# Altium PCB PCB2.PcbDoc (part 2 of 2)
Units mm, origin at the board's own origin, x right, y up, seen from the top; angles counter-clockwise.
Board outline 42.3 x 42.3 mm, 2 copper layers (Top Layer, Bottom Layer); 115 components, 83 nets, 434 pads, 142 vias.
Unrouted connection lines stored in the file: 85.
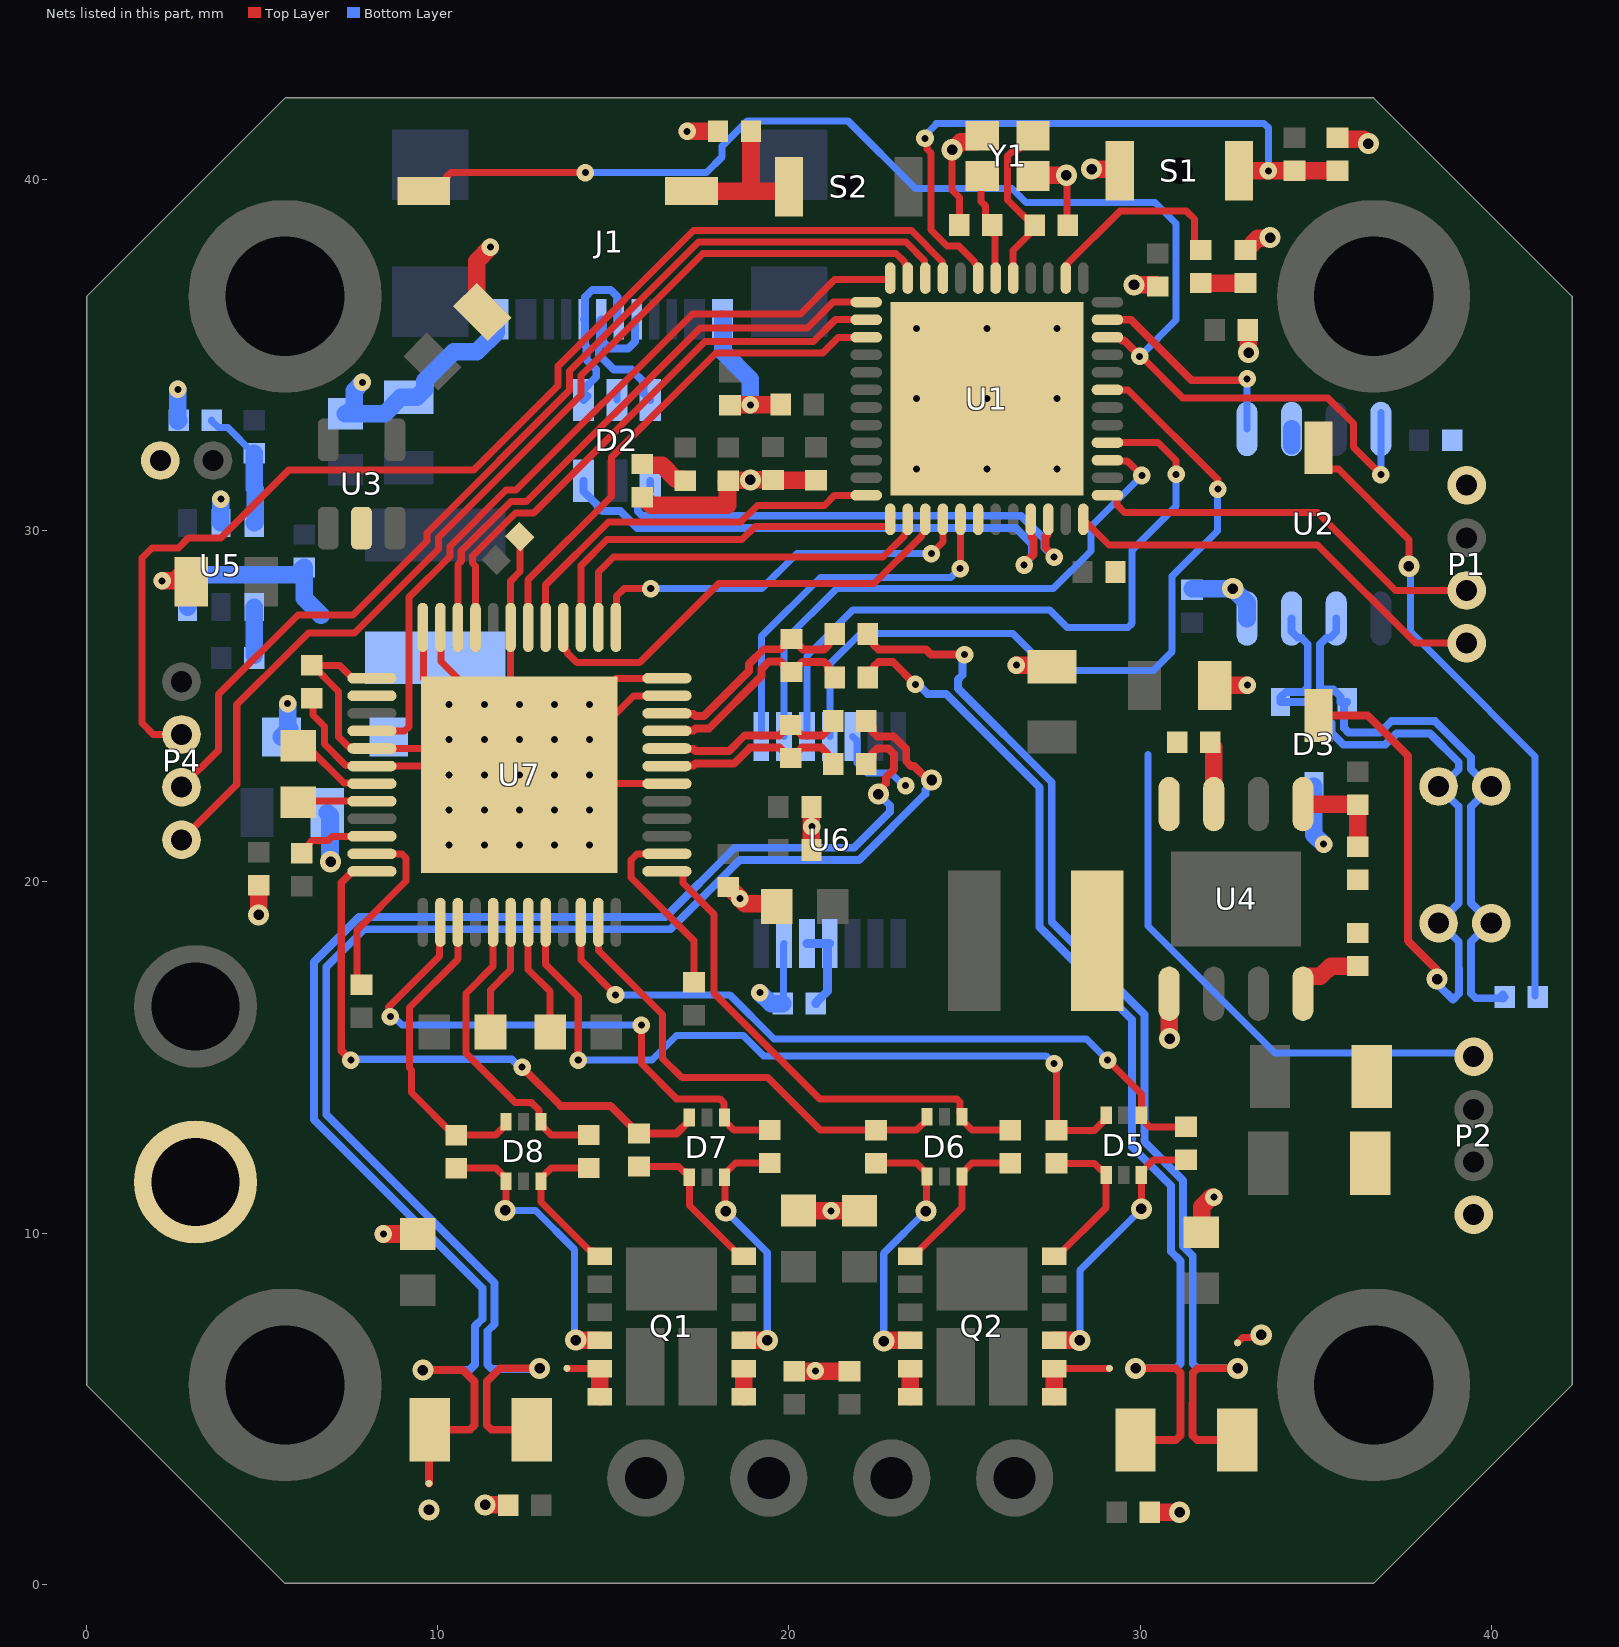
[diagram p2: the nets of this part, all layers, seen from the top]

## Via types
v1: diameter 0.5/0.5 (per signal layer), hole 0.2, Top Layer to Bottom Layer, 57 vias
v2: diameter 0.5, hole 0.2, Top Layer to Bottom Layer, 45 vias
v3: diameter 0.6/0.6 (per signal layer), hole 0.3, Top Layer to Bottom Layer, 38 vias
v4: diameter 0.65, hole 0.65, Top Layer to Bottom Layer, 2 vias

## Nets (pads, with @x,y where several pads share a name; then routed paths per layer and width w, separated by ;. In a path a pad name is that pad's centre, name@x,y a point inside that pad or via, vN(x,y) a via of type N, cw(c..) or ccw(c..) an arc to the next point about the centre after c; other vN are vias at no path point) (continued)
BUCK1_FB: R12.1 R13.2 U5.3 | length 3.6
  Bottom Layer w0.2: R13.2@3.561,33.15 3.561,33.13 3.751,32.94 4.02,32.94 4.755,32.205 R12.1@4.775,32.205
  Bottom Layer w0.5: R12.1@4.775,32.165 R12.1@4.775,32.205 ; U5.3@4.775,30.225 4.8,30.25 4.8,31.184 4.775,31.208 R12.1@4.775,32.165
BUCK1_SHDN: R8.1 U5.4 | length 1.4
  Bottom Layer w0.5: R8.1@4.775,26.45 U5.4@4.775,27.825
BUCK1_SW: C19.1 D4.1 L2.1 U5.6 | length 5.7
  Bottom Layer w0.5: U5.6@2.875,27.825 2.9,27.85 2.9,28.453 3.197,28.75 5.975,28.75 6.14,28.915 6.16,28.915 C19.1@6.2,28.955 6.2,28.75 6.2,28.075 6.675,27.6
BUCK2_BOOT: C20.2 U4.7 | length 1.8
  Top Layer w0.5: C20.2@31.97,23.981 31.97,23.961 32.098,23.833 U4.7@32.098,22.217
BUCK2_FB: R10.1 R11.2 U4.5 | length 2.8
  Top Layer w0.5: U4.5@34.638,22.217 34.646,22.209 36.19,22.209 R10.1@36.197,22.202 R11.2@36.197,20.998
BUCK2_SW: C20.1 L1.1 U4.8
CA1: C36.1 U7.42 | length 3.4
  Top Layer w0.2: C36.1@11.537,15.688 C36.1@11.5,15.725 11.5,16.925 12.074,17.499 U7.42@12.074,18.85
CA2: C34.1 U7.35 | length 5.2
  Top Layer w0.2: C34.1@7.7,17.095 7.7,18.625 9.1,20.025 9.1,20.683 8.983,20.8 U7.35@8.124,20.8
CAN_FD_RX: SW2.2 U1.46 U2.4 | length 39.5
  Top Layer w0.2: SW2.2@9.604,39.675 9.954,39.675 10.254,39.975 10.254,40.083 10.371,40.2 v1(14.2,40.2) ; v1(29.99,34.965) 30.036,34.965 31.225,33.775 35.35,33.775 36.075,33.05 36.075,32.38 v1(36.858,31.597)
  Top Layer w0.225: U1.46@29.071,35.511 29.391,35.511 29.479,35.423 29.542,35.423 29.99,34.975 v1(29.99,34.965)
  Bottom Layer w0.2: v1(14.2,40.2) 17.65,40.2 18.1,40.65 18.1,40.959 18.816,41.675 21.675,41.675 23.6,39.75 26.35,39.75 26.749,39.351 30.426,39.351 31.025,38.753 31.025,36 v1(29.99,34.965) ; v1@36.85,31.6 36.855,31.605 U2.4@36.855,32.9 U2.4@36.855,33.375
CAN_FD_TX: U1.47 U2.1 | length 6.1
  Top Layer w0.225: U1.47@29.071,36.011 29.739,36.011 31.462,34.287 33.012,34.287 v1(33.05,34.325)
  Bottom Layer w0.2: U2.1@33.045,32.9 33.048,32.903 33.048,34.323 v1(33.05,34.325)
CAN_N: D3.2 J2.2 J3.2 R7.1 U2.6 | length 17.2
  Bottom Layer w0.225: U2.6@35.585,27.5 35.585,27.127 35.412,26.953 35.308,26.953 35.125,26.77 35.125,26.439 35.125,25.475 35.507,25.475 35.713,25.27 35.713,25.125 35.806,25.125 D3.2@35.9,25.125 35.806,25.031 35.806,24.387 35.938,24.256 36.832,24.256 37.154,24.578 38.397,24.578 39.425,23.55 39.425,23.212 39.919,22.719 J2.2@40,22.719 39.425,22.144 39.425,20.597 39.425,19.4 J3.2@40,18.825 39.954,18.825 39.425,18.296 39.425,17.668 39.428,17.665 39.428,16.819 39.559,16.688 40.223,16.688 40.33,16.795 40.33,16.675 R7.1@40.38,16.725
CAN_P: D3.1 J2.1 J3.1 SW1.1 U2.7 | length 28.1
  Top Layer w0.225: SW1.1@35.075,24.74 36.481,24.74 37.631,23.59 37.631,18.315 38.456,17.49 v3(38.456,17.232)
  Bottom Layer w0.225: U2.7@34.315,27.5 34.315,27.127 34.488,26.953 34.592,26.953 34.775,26.77 34.775,26.584 34.775,25.544 34.643,25.413 34.162,25.413 34,25.25 D3.1@34,25.125 35.362,25.125 35.362,24.616 35.456,24.523 35.456,24.243 35.793,23.906 36.977,23.906 37.299,24.228 38.253,24.228 39.075,23.405 39.075,23.212 38.581,22.719 J2.1@38.5,22.719 39.075,22.144 39.075,20.742 39.075,19.4 J3.1@38.5,18.825 38.546,18.825 39.075,18.296 39.075,17.523 39.077,17.52 39.077,16.819 38.908,16.65 38.5,17.058 v3@38.5,17.292
CB1: C33.1 U7.2 | length 5.3
  Top Layer w0.2: U7.2@16.524,20.8 15.675,20.8 15.5,20.625 15.5,20.125 17.3,18.325 C33.1@17.3,17.16
CB2: C35.1 U7.43 | length 3.7
  Top Layer w0.2: U7.43@12.574,18.85 12.574,17.512 13.2,16.886 C35.1@13.2,15.725 13.174,15.699 13.2,15.674 13.1,15.574 C35.1@13.2,15.474
CPI: C31.2 U7.32 | length 2.2
  Top Layer w0.2: C31.2@5.754,22.411 C31.2@5.94,22.225 ; C31.2@6.22,22.276 6.244,22.3 U7.32@8.124,22.3
CPO: C31.1 U7.31 | length 2.3
  Top Layer w0.2: C31.1@6.22,23.876 6.27,23.876 7.327,22.819 8.105,22.819 U7.31@8.124,22.8
D_N: D2.1 D2.6 J1.A7 J1.B7 U1.33 | length 21
  Top Layer w0.225: v1(26.7,29.025) 26.7,29.068 26.961,29.329 26.961,29.761 26.9,29.822 26.9,30.311 U1.33@26.886,30.326
  Bottom Layer w0.225: D2.6@14.15,31.425 14.15,31.125 14.532,30.743 14.532,30.722 14.691,30.562 15.198,30.562 15.681,30.079 26.459,30.079 26.926,29.613 26.926,29.294 26.7,29.068 v1(26.7,29.025) ; D2.1@14.263,33.838 D2.1@14.15,33.725 14.15,34.025 14.513,34.388 14.513,34.596 14.235,34.874 14.235,35.248 14.197,35.285 14.197,35.988 J1.B7@14.16,36.025 14.197,36.062 14.197,36.659 14.401,36.863 14.919,36.863 15.123,36.659 15.123,36.062 J1.A7@15.16,36.025
D_P: D2.3 D2.4 J1.A6 J1.B6 U1.34 | length 20.4
  Top Layer w0.225: U1.34@27.386,30.326 27.371,30.311 27.371,29.898 27.311,29.838 27.311,29.519 27.55,29.28 v1(27.55,29.25)
  Bottom Layer w0.225: J1.B6@15.66,36.025 15.623,35.988 15.623,35.391 15.419,35.187 14.901,35.187 14.697,35.391 14.697,35.988 J1.A6@14.66,36.025 14.623,35.988 14.623,35.285 14.585,35.248 14.585,35.019 15.017,34.588 15.512,34.588 15.863,34.238 15.863,33.913 D2.3@16.05,33.725 ; D2.4@16.05,31.425 16.05,31.125 15.694,30.769 15.694,30.561 15.826,30.429 26.604,30.429 27.276,29.757 27.276,29.519 27.546,29.25 v1(27.55,29.25)
DIAG0: U7.26
ENC_A: P4.2 U1.10 | length 29.7
  Top Layer w0.2: P4.2@2.703,22.7 3.75,23.747 3.75,25.333 6.017,27.6 7.582,27.6 9.693,29.711 9.693,29.941 13.754,34.002 13.754,34.554 17.421,38.221 23.329,38.221 23.867,37.683 23.867,37.215 U1.10@23.886,37.196
ENC_B: P4.1 U1.11 | length 30
  Top Layer w0.2: P4.1@2.703,21.2 4.275,22.772 4.275,25.048 5.85,26.623 6.317,27.09 7.631,27.09 10.018,29.478 10.018,29.806 14.079,33.867 14.079,34.419 17.556,37.896 23.051,37.896 23.286,37.661 23.286,37.623 23.386,37.523 U1.11@23.386,37.196
ENC_CS: U1.29 U6.1 | length 10.7
  Top Layer w0.2: v1(24.875,28.925) 24.88,28.93 24.88,30.32 U1.29@24.886,30.326
  Bottom Layer w0.2: U6.1@19.213,24.145 19.213,26.988 20.9,28.675 24.608,28.675 24.858,28.925 v1(24.875,28.925)
ENC_I: P4.3 U1.9 | length 33.8
  Top Layer w0.2: P4.3@2.703,24.2 1.896,24.2 1.575,24.521 1.575,29.225 1.862,29.512 2.612,29.512 2.9,29.8 3.825,29.8 5.75,31.725 11.018,31.725 13.429,34.137 13.429,34.689 17.287,38.546 23.487,38.546 24.375,37.658 24.375,37.206 U1.9@24.386,37.196
ENC_MISO: U1.40 U6.3 | length 19.7
  Top Layer w0.2: U1.40@29.079,32.519 U1.40@29.071,32.511 30.514,32.511 31.025,32 v1@31.025,31.6
  Bottom Layer w0.2: U6.3@20.513,24.145 20.513,26.433 21.83,27.75 27.425,27.75 27.925,27.25 29.658,27.25 29.775,27.367 29.775,29.45 31.029,30.704 v1(31.029,31.606)
ENC_MOSI: U1.43 U6.4 | length 22.5
  Top Layer w0.2: U1.43@29.071,34.011 29.658,34.011 32.213,31.456 v1(32.213,31.188)
  Bottom Layer w0.2: U6.4@21.163,24.145 21.163,26.201 22.037,27.075 26.375,27.075 27.425,26.025 30.375,26.025 30.915,26.565 30.915,28.714 31.433,29.232 32.2,29.999 32.2,31.175 v1(32.213,31.188)
ENC_SCK: U1.39 U6.2 | length 16.4
  Top Layer w0.2: U1.39@29.071,32.011 29.09,31.992 29.633,31.992 v1(30.05,31.575)
  Bottom Layer w0.2: U6.2@19.863,24.145 19.863,26.863 21.35,28.35 27.525,28.35 28.6,29.425 28.6,30.125 v1(30.05,31.575)
FAN_PWM: P2.1 U1.30 | length 15.7
  Bottom Layer w0.2: 30.225,23.625 30.225,18.747 33.847,15.125 P2.1@39.525,15.125
G1: D5.1 Q2.1 R21.2 | length 4.6
  Top Layer w0.2: Q2.1@27.55,9.343 27.65,9.343 29.036,10.729 D5.1@29.036,11.654 29.036,11.744 28.976,11.804 28.886,11.804 28.706,11.984 R21.2@27.62,11.984
G1_2: D7.1 Q1.1 R17.2 | length 4.6
  Top Layer w0.2: R17.2@15.729,11.898 16.86,11.898 17.015,11.743 17.105,11.743 17.165,11.683 D7.1@17.165,11.593 17.165,10.785 18.607,9.343 Q1.1@18.707,9.343
G2: D5.3 Q2.4 R16.2 | length 7.7
  Top Layer w0.2: v3(30.036,10.689) D5.3@30.036,11.654 30.036,11.744 30.376,12.084 R16.2@31.311,12.084
  Top Layer w0.5: Q2.4@27.55,6.943 v3(28.282,6.943) v3@28.3,6.925
  Bottom Layer w0.2: v3(28.282,6.943) 28.282,8.936 v3(30.036,10.689)
G2_2: D7.3 Q1.4 R20.2 | length 7.4
  Top Layer w0.2: v3(18.2,10.625) 18.182,10.643 18.182,11.575 D7.3@18.165,11.593 18.165,11.683 18.48,11.998 R20.2@19.454,11.998
  Top Layer w0.5: Q1.4@18.707,6.943 v3(19.382,6.943) v3@19.4,6.925
  Bottom Layer w0.2: v3(18.2,10.625) 19.382,9.443 v3(19.382,6.943)
G3: D6.1 Q2.9 R22.2 | length 7.6
  Top Layer w0.2: R22.2@22.478,11.992 23.638,11.992 D6.1@23.928,11.702 ; v3(23.9,10.625) 23.914,10.639 23.914,11.598 D6.1@23.928,11.612 D6.1@23.928,11.522
  Top Layer w0.5: v3(22.7,6.925) 22.718,6.943 Q2.9@23.45,6.943
  Bottom Layer w0.2: v3(22.7,6.925) 22.7,9.425 v3(23.9,10.625)
G3_2: D8.1 Q1.9 R19.2 | length 8.2
  Top Layer w0.2: R19.2@10.525,11.848 11.658,11.848 11.94,11.565 D8.1@11.94,11.475 11.94,10.665 v3(11.92,10.645) v3@11.9,10.625
  Top Layer w0.5: v3(13.93,6.955) 13.942,6.943 Q1.9@14.607,6.943
  Bottom Layer w0.2: v3(11.92,10.645) 12.78,10.645 13.9,9.525 13.9,6.984 v3(13.93,6.955)
G4: D6.3 Q2.12 R23.2 | length 4.5
  Top Layer w0.2: Q2.12@23.45,9.343 23.55,9.343 24.928,10.721 D6.3@24.928,11.612 24.928,11.702 25.218,11.992 R23.2@26.303,11.992
G4_2: D8.3 Q1.12 R18.2 | length 4.3
  Top Layer w0.2: D8.3@12.94,11.475 12.94,10.885 14.332,9.493 14.457,9.493 Q1.12@14.607,9.343 ; D8.3@12.94,11.565 13.223,11.848 R18.2@14.205,11.848
GND: C1.1 C2.2 C3.2 C4.1 C5.1 C6.1 C7.1 C8.1 C9.1 C10.2 C11.1 C12.2 C13.1 C14.2 C15.2 C16.2 C17.2 C18.2 C21.2 C22.2 C23.2 C24.2 C25.2 C26.1 C27.1 C27.2 C28.1 C29.1 C30.1 C39.2 C40.2 C41.1 C42.1 C43.1 C44.1 C45.1 C46.1 C47.1 D2.2 D3.3 D4.2 J1.A1B12 J1.A12B1 J4.2 J5.2 LD1.2 LD2.2 NT3.2 NT4.2 P1.1 P2.4 R2.2 R9.1 R11.1 R13.1 R15.2 S1.2 U1.0 U2.2 U2.8 U3.2 U4.1 U5.2 U6.5 U6.13 U7.6 U7.11 U7.12 U7.19 U7.23 U7.24 U7.25 U7.29 U7.30 U7.49 Y1.2 Y1.4 | length 90.1
  Top Layer w0.2: v1@2.093,28.518 v1(2.15,28.575) ; C27.1@6.41,25.23 6.446,25.194 6.446,24.757 6.775,24.429 6.775,23.925 7.381,23.319 8.105,23.319 U7.30@8.124,23.3 10.074,23.3 v2(10.324,23.05) ; C27.2@6.41,26.17 C27.2@6.43,26.17 ; U7.25@8.124,25.8 7.574,25.8 7.204,26.17 C27.2@6.43,26.17 ; U7.24@9.574,27.25 9.593,27.231 9.593,26.51 9.599,26.504 9.599,25.775 v2(10.324,25.05) ; U7.23@10.074,27.25 10.093,27.231 10.093,26.281 v2(11.324,25.05) ; v2(10.324,24.05) 10.074,23.8 7.547,23.8 7.497,23.85 7.459,23.85 7.174,24.134 7.174,25.426 C27.2@6.43,26.17 ; v2(12.324,25.05) 12.074,25.3 U7.19@12.074,27.25 12.074,28.564 12.346,28.836 12.346,29.818 C30.1@12.332,29.832 ; v2(14.324,23.05) 14.574,22.8 U7.6@16.524,22.8 ; v2(14.324,24.05) 15.574,25.3 U7.11@16.524,25.3 ; v2(14.324,25.05) 15.074,25.8 U7.12@16.524,25.8 ; v3(24.645,40.85) 24.645,39.701 24.853,39.493 C2.2@24.853,38.711 ; v3(27.9,40.125) 27.922,40.103 27.922,38.723 C3.2@27.945,38.7 ; NT4.2@32.775,6.875 32.923,7.023 33.373,7.023 v3(33.45,7.1)
  Top Layer w0.5: v1(2.15,28.575) 2.51,28.575 2.73,28.795 C14.2@2.975,28.55 ; v3(4.9,19.064) C39.2@4.9,19.905 ; v1(8.45,9.975) C43.1@9.429,9.975 ; C18.2@11.264,36.232 11.105,36.391 11.105,37.68 v1(11.5,38.075) ; v3(11.349,2.263) 11.992,2.263 C45.1@12.005,2.25 ; v1(17.1,41.375) R2.2@17.98,41.375 R2.2@17.975,41.38 ; C10.2@18.215,31.39 18.255,31.43 C10.2@18.275,31.43 ; C29.1@18.275,19.855 18.295,19.855 18.6,19.55 v1(18.6,19.525) 18.743,19.382 19.568,19.382 R15.2@19.65,19.3 ; C13.1@18.323,33.574 18.336,33.587 19.753,33.587 C11.1@19.766,33.6 ; C47.1@20.15,6.069 C44.1@21.725,6.069 ; C42.1@20.4,10.625 20.406,10.631 v2(21.202,10.631) 21.998,10.631 C41.1@22.004,10.638 ; C25.2@20.641,20.911 C28.1@20.641,22.135 ; C9.1@20.772,31.436 20.716,31.436 20.712,31.441 19.552,31.441 C12.2@19.547,31.446 19.545,31.448 18.902,31.448 v3(18.9,31.45) 18.89,31.44 18.285,31.44 C10.2@18.275,31.43 ; v3(24.645,40.85) 24.672,40.85 24.897,41.075 25.325,41.075 Y1.2@25.5,41.25 ; v1(26.475,26.175) 27.459,26.175 27.5,26.134 C23.2@27.496,26.129 ; Y1.4@26.95,40.1 26.975,40.125 v3(27.9,40.125) ; v3(28.621,40.3) 29.371,40.3 S1.2@29.421,40.25 ; v3(29.826,37.002) 30.453,37.002 C4.1@30.5,36.955 ; C46.1@30.27,2.05 v3(31.125,2.05) ; v3@30.825,15.525 30.828,15.528 U4.1@30.828,16.817 ; C40.2@31.74,10.025 31.75,10.035 31.75,10.75 32.025,11.025 v1(32.1,11.025) ; C21.2@32.125,25.596 32.134,25.605 v1(33.055,25.605) ; LD1.2@33,37.995 33.02,37.995 33.356,38.331 33.681,38.331 v3(33.7,38.35) ; C7.1@33.07,35.716 33.08,35.706 33.08,35.084 v3(33.089,35.074) ; C1.1@35.624,41.195 35.664,41.155 36.37,41.155 v3(36.5,41.025) ; LD2.2@15.886,30.92 15.846,30.96 LD2.2@15.826,30.96 15.866,30.92 LD2.2@15.886,30.92 ; LD2.2@15.886,30.92 16.081,30.725 18.25,30.725 18.25,31.405 C10.2@18.275,31.43
  Bottom Layer w0.2: D2.2@15.1,33.725 D2.2@15.1,34.025 ; U6.13@19.863,18.245 19.845,18.227 19.845,16.554 C26.1@19.828,16.536 C26.1@19.878,16.486 ; U6.5@21.813,24.145 21.938,24.02 21.938,23.391 22.23,23.1 22.902,23.1 23.259,22.742 v1(23.322,22.742)
  Bottom Layer w0.5: R13.1@2.595,33.124 R13.1@2.621,33.15 2.6,33.171 v1(2.6,34.025) ; U5.2@3.825,30.225 3.8,30.25 3.825,30.275 v1(3.825,30.9) ; D4.2@5.55,24.127 5.791,24.368 5.725,24.434 v1(5.725,25.075) ; C16.2@6.85,21.973 6.931,21.892 6.931,20.594 v3(6.95,20.575) ; C24.2@7.371,33.336 C24.2@7.421,33.336 ; v1(7.851,34.224) 7.621,33.993 7.621,33.536 C24.2@7.421,33.336 ; C22.2@9.175,33.8 C22.2@8.975,33.8 ; J1.A1B12@11.71,36.025 11.66,35.975 11.66,35.647 11.115,35.102 10.455,35.102 9.625,34.271 9.625,34.025 9.4,33.8 C22.2@8.975,33.8 ; J1.A12B1@18.11,36.025 18.123,36.012 18.123,35.102 18.904,34.321 v1(18.904,33.587) ; v1(19.175,16.85) 19.5,16.525 19.817,16.525 C26.1@19.828,16.536 ; C8.1@31.486,28.355 v3(32.638,28.355) 33.045,27.948 U2.8@33.045,27.5 ; U2.2@34.315,32.425 U2.2@34.315,32.9 ; D3.3@34.95,22.725 34.95,21.35 v1(35.225,21.075) ; C24.2@7.421,33.336 7.621,33.336 8.486,33.336 8.95,33.8 C22.2@8.975,33.8
  other v1: 20.75,6.075 20.65,21.575
  other v2: 10.324,21.05 11.324,21.05 12.324,21.05 13.324,21.05 14.324,21.05 10.324,22.05 11.324,22.05 12.324,22.05 13.324,22.05 14.324,22.05 11.324,23.05 12.324,23.05 13.324,23.05 11.324,24.05 12.324,24.05 13.324,24.05 13.324,25.05
  other v3: 9.75,2.121 30.838,15.538
HA1: D8.4 R18.1 U7.41 | length 8.6
  Top Layer w0.2: U7.41@11.574,18.85 11.574,17.599 10.8,16.825 10.8,15.121 12.196,13.725 12.656,13.725 12.88,13.501 12.88,13.235 D8.4@12.94,13.175 12.94,13.085 13.238,12.788 R18.1@14.205,12.788
HA2: D7.6 R17.1 U7.36 | length 16.9
  Top Layer w0.225: v1(7.525,14.925) 7.253,15.198 7.253,19.978 7.55,20.276 8.1,20.276 U7.36@8.124,20.3 ; v1(12.4,14.725) 13.5,13.625 14.922,13.625 15.709,12.838 R17.1@15.729,12.838 16.8,12.838 17.165,13.203 D7.6@17.165,13.293
  Bottom Layer w0.225: v1(7.525,14.925) 7.55,14.95 12.106,14.95 12.331,14.725 v1(12.4,14.725)
HB1: D6.4 R23.1 U7.1 | length 14.6
  Top Layer w0.2: U7.1@16.524,20.3 16.934,20.3 16.98,20.254 16.98,19.97 17.86,19.09 17.86,16.84 20.888,13.812 24.791,13.812 24.868,13.735 24.868,13.372 D6.4@24.928,13.312 24.928,13.222 25.218,12.932 R23.1@26.303,12.932
HB2: D5.6 R21.1 U7.44 | length 22.1
  Top Layer w0.2: U7.44@13.074,18.85 13.074,17.651 14,16.725 v1(14,14.925) ; v1(27.55,14.825) 27.62,14.755 R21.1@27.62,12.924 28.696,12.924 29.036,13.264 D5.6@29.036,13.354
  Bottom Layer w0.2: v1(14,14.925) 16.1,14.925 16.8,15.625 18.7,15.625 19.275,15.05 27.325,15.05 v1(27.55,14.825)
LA1: D8.6 R19.1 U7.39 | length 8.8
  Top Layer w0.2: U7.39@10.574,18.85 10.574,17.799 9.2,16.425 9.2,14.699 9.25,14.649 9.25,14.001 10.464,12.788 R19.1@10.525,12.788 11.643,12.788 11.94,13.085 D8.6@11.94,13.175
LA2: D7.4 R20.1 U7.38 | length 16.4
  Top Layer w0.2: v1(8.65,16.164) 8.6,16.214 8.6,16.432 10.055,17.887 10.055,18.831 U7.38@10.074,18.85 ; v1(15.8,15.925) 15.8,14.825 16.8,13.825 18.028,13.825 18.145,13.708 18.145,13.312 D7.4@18.165,13.293 18.165,13.203 18.43,12.938 R20.1@19.454,12.938
  Bottom Layer w0.2: v1(8.65,16.164) 8.742,16.164 8.981,15.925 v1(15.8,15.925)
LB1: D6.6 R22.1 U7.47 | length 13.2
  Top Layer w0.2: U7.47@14.574,18.85 14.574,18.051 16.4,16.225 16.4,14.976 16.951,14.425 19.4,14.425 20.893,12.932 R22.1@22.478,12.932 23.638,12.932 23.928,13.222 D6.6@23.928,13.312
LB2: D5.4 R16.1 U7.46 | length 20.7
  Top Layer w0.2: U7.46@14.074,18.85 14.074,17.773 v1(15.061,16.786) ; v1(29.075,14.925) 30.036,13.964 D5.4@30.036,13.354 30.036,13.264 30.276,13.024 R16.1@31.311,13.024
  Bottom Layer w0.2: v1(15.061,16.786) 18.314,16.786 19.575,15.525 28.475,15.525 v1(29.075,14.925)
LED: R6.2 U1.2 | length 5.7
  Top Layer w0.2: U1.2@27.886,37.196 27.905,37.215 27.905,37.581 29.424,39.1 31.325,39.1 31.55,38.875 31.55,38.169 R6.2@31.724,37.995
NetC26_2: C26.2 U6.11 U6.12 | length 2.5
  Bottom Layer w0.25: U6.12@20.513,18.245 U6.11@21.163,18.245 21.1,18.182 21.1,16.888 20.767,16.556 C26.2@20.767,16.536
NetLD1_1: LD1.1 R6.1 | length 1.3
  Top Layer w0.5: R6.1@31.724,37.055 LD1.1@33,37.055
NetLD2_1: LD2.1 R5.2 | length 1.4
  Top Layer w0.5: LD2.1@15.826,31.9 15.866,31.86 16.39,31.86 16.78,31.47 17.01,31.47 R5.2@17.05,31.43
NetNT1_2: NT1.2 Q1.5 Q1.6 Q1.7 Q1.8 | length 2.5
  Top Layer w0.2: NT1.2@13.7,6.15 14.6,6.15 Q1.8@14.607,6.143
  Top Layer w0.5: Q1.7@14.607,5.343 Q1.8@14.607,6.143 ; Q1.6@18.707,5.343 Q1.5@18.707,6.143
NetNT2_2: NT2.2 Q2.5 Q2.6 Q2.7 Q2.8 | length 3.2
  Top Layer w0.2: Q2.5@27.55,6.143 27.557,6.15 NT2.2@29.125,6.15
  Top Layer w0.5: Q2.7@23.45,5.343 Q2.8@23.45,6.143 ; Q2.6@27.55,5.343 Q2.5@27.55,6.143
NetR7_2: R7.2 SW1.2 | length 18.4
  Top Layer w0.2: SW1.2@35.075,32.36 35.075,32.055 35.375,31.755 35.645,31.755 37.656,29.744 v3(37.656,28.99)
  Bottom Layer w0.2: v3@37.7,29.05 37.7,27.127 38.324,26.504 38.664,26.163 41.25,23.577 R7.2@41.25,16.755
NetR9_2: R9.2 U4.4 | length 2.1
  Top Layer w0.5: U4.4@34.638,16.817 34.638,17.265 34.684,17.311 35.132,17.311 35.426,17.605 R9.2@36.197,17.605
NRST: C1.2 R1.1 S1.1 U1.7 | length 18.8
  Top Layer w0.2: v1(23.875,41.175) 23.932,41.118 23.932,40.87 24.049,40.754 24.049,38.561 24.499,38.111 24.836,38.111 25.286,37.661 25.286,37.623 25.386,37.523 U1.7@25.386,37.196
  Top Layer w0.5: S1.1@32.799,40.275 32.82,40.254 R1.1@34.4,40.254 C1.2@35.488,40.254
  Bottom Layer w0.2: v1(23.875,41.175) 23.875,41.256 24.191,41.572 24.191,41.6 33.533,41.6 33.65,41.483 v1(33.65,40.25)
O_IN: C3.1 U1.5 Y1.1 | length 5
  Top Layer w0.2: U1.5@26.386,37.196 26.386,37.986 27.005,38.605 27.005,38.625 27.005,38.645 26.225,39.425 26.225,40.674 26.342,40.791 26.458,40.791 26.575,40.909 26.575,40.925 26.9,41.25 Y1.1@26.95,41.25
O_OUT: C2.1 U1.6 Y1.3 | length 3.1
  Top Layer w0.2: Y1.3@25.472,40.073 25.472,39.375 25.603,39.244 25.603,38.901 C2.1@25.793,38.711 25.867,38.638 25.867,37.215 U1.6@25.886,37.196
  Top Layer w0.5: Y1.3@25.472,40.073 Y1.3@25.5,40.1 ; C2.1@25.768,38.636 C2.1@25.796,38.663
PB8_BOOT0: R2.1 S2.2 SW2.1 | length 5.7
  Top Layer w0.2: SW2.1@17.224,39.675 SW2.1@17.524,39.975 ; S2.2@19.699,40.383 19.999,40.083 S2.2@19.999,39.8 S2.2@19.874,39.675
  Top Layer w0.5: SW2.1@17.224,39.675 18.875,39.675 ; R2.1@18.92,41.375 18.92,39.72 18.875,39.675 ; S2.2@19.874,39.675 18.875,39.675
SD_MODE: U1.14 U7.21 | length 16.1
  Top Layer w0.2: U7.21@11.074,27.25 11.074,28.997 10.993,29.078 10.993,29.285 12.215,30.507 12.41,30.507 12.732,30.507 17.614,35.389 20.699,35.389 21.32,36.011 U1.14@22.201,36.011
SPI_MODE: U1.13 U7.22 | length 16.7
  Top Layer w0.2: U7.22@10.574,27.25 10.574,29.04 10.668,29.134 10.668,29.209 10.668,29.224 10.668,29.42 12.08,30.832 12.276,30.832 12.291,30.832 12.532,30.832 17.475,35.775 20.525,35.775 21.261,36.511 U1.13@22.201,36.511
SRAH_N: C38.1 NT3.1 R27.1 R27.2 R29.1 U7.7 | length 47.6
  Top Layer w0.225: v3(9.575,6.1) 10.721,6.1 11.046,5.775 11.046,4.532 10.914,4.4 R29.1@9.771,4.4 9.75,4.379 NT3.1@9.75,2.871 ; U7.7@16.524,23.3 16.539,23.314 17.278,23.314 17.339,23.375 18.439,23.375 18.889,23.825 19.735,23.825 20.03,23.53 C38.1@20.05,23.53 20.07,23.53 20.365,23.825 20.927,23.825 21.087,23.665 21.087,23.537 R27.1@21.265,23.359 ; R27.2@22.205,23.359 22.382,23.537 22.382,23.665 22.514,23.797 22.832,23.797 22.99,23.639 22.99,23.206 22.759,22.975 22.759,22.811 22.55,22.601 v3(22.55,22.5)
  Bottom Layer w0.225: v3(9.575,6.1) 10.906,6.1 11.063,6.257 11.063,7.352 11.269,7.559 11.269,8.436 6.475,13.23 6.475,17.72 7.758,19.003 16.483,19.003 18.455,20.975 21.855,20.975 22.874,21.994 22.874,22.181 22.555,22.5 v3(22.55,22.5) v3@22.622,22.428
SRAH_P: C38.2 NT1.1 R26.1 R26.2 R29.2 U7.8 | length 46.7
  Top Layer w0.225: 12.587,6.15 11.771,6.15 11.396,5.775 11.396,4.532 11.528,4.4 R29.2@12.671,4.4 ; U7.8@16.524,23.8 16.539,23.786 17.278,23.786 17.339,23.725 18.294,23.725 18.744,24.175 19.735,24.175 20.03,24.47 C38.2@20.05,24.47 20.07,24.47 20.365,24.175 20.956,24.175 21.087,24.307 21.087,24.407 R26.1@21.265,24.584 ; R26.2@22.205,24.584 22.382,24.407 22.382,24.279 22.514,24.147 22.977,24.147 23.34,23.784 23.34,23.437 23.472,23.305 23.563,23.305 23.965,22.903 v3(24.062,22.903)
  Bottom Layer w0.225: v3(12.9,6.15) 12.875,6.125 11.544,6.125 11.413,6.257 11.413,7.207 11.619,7.414 11.619,8.581 6.825,13.375 6.825,17.575 7.903,18.653 16.628,18.653 18.6,20.625 22,20.625 23.884,22.509 23.884,22.623 24.062,22.801 v3(24.062,22.903)
SRBH_N: C37.1 NT4.1 R25.1 R25.2 R28.1 U7.10 | length 38.1
  Top Layer w0.225: U7.10@16.524,24.8 16.539,24.786 17.278,24.786 17.339,24.725 17.583,24.725 18.866,26.008 18.866,26.208 19.283,26.625 19.76,26.625 20.055,26.92 C37.1@20.075,26.92 20.095,26.92 20.398,26.617 20.996,26.617 21.127,26.749 21.127,26.882 R25.1@21.305,27.059 ; R25.2@22.245,27.059 22.422,26.882 22.422,26.749 22.554,26.617 23.9,26.617 24.043,26.475 v1(25,26.475) ; R28.1@32.771,4.104 31.628,4.104 31.496,4.236 31.496,5.155 31.5,5.159 31.5,6.018 31.632,6.15 v3(32.775,6.15)
  Bottom Layer w0.225: v1(25,26.475) 24.947,26.422 24.947,25.898 24.815,25.766 24.815,25.507 27.483,22.839 27.483,18.862 30.122,16.222 30.122,12.603 31.225,11.5 31.225,9.625 31.5,9.35 31.5,6.282 31.632,6.15 v3(32.775,6.15)
SRBH_P: C37.2 NT2.1 R24.1 R24.2 R28.2 U7.9 | length 36.7
  Top Layer w0.225: U7.9@16.524,24.3 16.539,24.314 17.278,24.314 17.339,24.375 17.728,24.375 19.216,25.863 19.216,26.063 19.427,26.275 19.76,26.275 20.055,25.98 C37.2@20.075,25.98 20.095,25.98 20.382,26.267 20.996,26.267 21.127,26.135 21.127,26.002 R24.1@21.305,25.825 ; R24.2@22.245,25.825 22.422,26.002 22.422,26.135 22.554,26.267 22.958,26.267 v1(23.6,25.625) ; R28.2@29.871,4.104 31.014,4.104 31.146,4.236 31.146,5.3 31.15,5.304 31.15,6.018 31.018,6.15 v3(29.875,6.15)
  Bottom Layer w0.225: v1(23.6,25.625) 23.674,25.625 23.949,25.35 24.478,25.35 27.133,22.694 27.133,18.717 29.772,16.078 29.772,12.458 30.875,11.355 30.875,9.48 31.15,9.205 31.15,6.282 31.018,6.15 v3(29.875,6.15)
SWCLK: P1.3 U1.37 | length 11.5
  Top Layer w0.2: U1.37@29.071,31.011 29.293,31.011 29.339,30.965 29.339,30.743 29.556,30.525 35.05,30.525 37.275,28.3 P1.3@39.3,28.3
SWDIO: P1.4 U1.36 | length 12.4
  Top Layer w0.2: U1.36@28.386,30.326 29.112,29.6 35.05,29.6 37.85,26.8 P1.4@39.3,26.8
TMC_CS: U1.28 U7.13 | length 11.5
  Top Layer w0.2: U7.13@15.074,27.25 15.093,27.269 15.093,28.143 15.3,28.35 v1@16.075,28.35 ; v1(24.057,29.351) 24.386,29.679 U1.28@24.386,30.326
  Bottom Layer w0.2: v1(16.065,28.351) 19.226,28.351 20.225,29.35 v1@24.05,29.35
TMC_DIR: U1.15 U7.18 | length 14.5
  Top Layer w0.2: U7.18@12.574,27.25 12.574,28.605 14.95,30.98 14.95,32.095 17.919,35.064 20.964,35.064 21.411,35.511 U1.15@22.201,35.511
TMC_DRV_ENN: U1.12 U7.28 | length 22.4
  Top Layer w0.2: U7.28@8.124,24.3 9.057,24.3 9.174,24.417 9.174,28.099 10.343,29.268 10.343,29.343 10.343,29.359 10.343,29.555 11.945,31.157 12.141,31.157 12.157,31.157 12.232,31.157 17.25,36.175 20.325,36.175 21.3,37.15 22.84,37.15 U1.12@22.886,37.196
TMC_MISO: U1.27 U7.16 | length 13
  Top Layer w0.2: U7.16@13.574,27.25 13.574,26.673 13.674,26.573 13.674,26.534 13.959,26.25 15.75,26.25 18,28.5 22.426,28.5 23.786,29.86 23.786,29.899 23.886,29.999 U1.27@23.886,30.326
TMC_MOS: U1.25 U7.15 | length 11.2
  Top Layer w0.2: U7.15@14.074,27.25 14.074,29.005 14.819,29.75 18.666,29.75 19.042,30.126 22.84,30.126 22.886,30.172 U1.25@22.886,30.326
TMC_PWM: U1.24 U7.17 | length 11.4
  Top Layer w0.2: U7.17@13.074,27.25 13.074,28.465 14.86,30.25 18.625,30.25 19.1,30.725 21.014,30.725 21.3,31.011 U1.24@22.201,31.011
TMC_SCK: U1.26 U7.14 | length 11.2
  Top Layer w0.2: U7.14@14.574,27.25 14.574,28.824 15,29.25 22.676,29.25 23.286,29.86 23.286,29.899 23.386,29.999 U1.26@23.386,30.326
VCP: C32.1 U7.34 | length 1.9
  Top Layer w0.2: C32.1@6.329,21.079 6.425,21.175 6.882,21.175 7.007,21.3 U7.34@8.124,21.3
pads on no net: D5.2 D5.5 D6.2 D6.5 D7.2 D7.5 D8.2 D8.5 J1.1 J1.2 J1.3 J1.4 J1.A5 J1.A8 J1.B5 J1.B8 MTH1.MTH MTH2.MTH MTH3.MTH MTH4.MTH P2.2 S1.3 S2.3 U1.3 U1.4 U1.8 U1.16 U1.17 U1.18 U1.19 U1.22 U1.31 U1.32 U1.38 U1.41 U1.42 U1.44 U1.45 U3.4 U4.0 U4.6 U6.6 U6.7 U6.8 U6.9 U6.10 U6.14 U7.27
copper on no net:
  other v1: 24.238,25.913
  other v2: 36.5,10.525 37.25,10.525 38,11.025 38,11.775 38,12.5 38,13.25 31.233,18.517 32.233,18.517 33.233,18.517 34.233,18.517 31.233,19.517 32.233,19.517 33.233,19.517 34.233,19.517 31.233,20.517 32.233,20.517 33.233,20.517 34.233,20.517
  other v4: 12.01,37.1 17.81,37.1

## Polygon pours and split planes (outlines as drawn)
no net on Bottom Layer "NONET_L02_P011" (solid, pour order 11): 0.6,25.525 6.51,25.525 6.471,15.57 9.5,10.938 9.5,6.7 0.6,6.7
no net on Bottom Layer "NONET_L02_P001" (solid, pour order 1): 11.95,27.168 7.9,28.15 6.475,28.15 6.475,23.774 7.155,23.094 11.95,23.093
5V on Bottom Layer "5V_L02_P000" (solid, pour order 0): 6.238,34.022 5.988,33.772 5.988,29.922 7.188,29.922 8.12,28.99 11.964,28.99 11.963,34.022
12V on Top Layer "NONET_L-01_P-001" (solid, pour order 10): 23.5,15.525 27,15.525 27,23.15 29.25,23.15 29.25,24.775 31.375,24.775 31.375,27 28.75,27 28.75,25.4 26.375,25.4 26.375,24.803 23.5,20.544
no net on Top Layer "NONET_L01_P012" (solid, pour order 12): 35,16.025 35,10.025 38.5,10.025 38.5,16.025
BUCK2_SW on Top Layer "NONET_L-01_P-001" (solid, pour order 9): 31.55,24.325 31.55,21.025 30.75,21.025 30.75,15.525 27.325,15.525 27.325,22.9 29.5,22.9 29.5,24.325
no net on Top Layer "NONET_L01_P008" (solid, pour order 8): 14.057,9.875 14.057,6.5 28.15,6.5 28.15,9.875
no net on Top Layer "NONET_L01_P007" (solid, pour order 7): 36,0.525 41.5,6.025 41.5,9.525 35.5,9.525 35.5,17.1 31.5,17.1 31.5,15.275 32.625,15.275 32.6,15.25 32.6,9.95 27.5,9.95 27.5,0.525
no net on Top Layer "NONET_L01_P006" (solid, pour order 6): 25.65,7.45 25.65,5.382 24.125,3.857 24.125,0.45 28.868,0.45 29.75,1.332 29.75,4.174 27.8,4.832 26.825,5.807 26.825,7.45
no net on Top Layer "NONET_L01_P005" (solid, pour order 5): 24.225,7.357 24.225,4.957 21.2,4.957 21.2,0.425 24.5,0.425 24.5,3.882 25.4,4.782 25.4,7.357
no net on Top Layer "NONET_L01_P004" (solid, pour order 4): 16.868,7.432 16.868,4.757 17.9,3.725 17.9,0.5 21.1,0.5 21.1,4.882 18.018,4.882 17.993,4.907 17.993,7.432
no net on Top Layer "NONET_L01_P003" (solid, pour order 3): 7.95,12.35 9.925,10.375 14.521,10.375 14.521,0.525 5.867,0.525 0.6,6.036 0.6,21.4 7.95,21.4
no net on Top Layer "NONET_L01_P002" (solid, pour order 2): 15.212,4.875 15.212,7.375 16.487,7.375 16.487,4.813 17.575,3.725 17.575,0.425 12.6,0.425 12.6,4.4 13.987,4.875

## Silkscreen, mask and mechanical layers (free items; w line width, h text height)
Mechanical 1:
  lines w0.127: 0,5.675 0,36.675 5.65,42.325 ; 0,5.675 0,5.675 ; 0,5.675 5.65,0.025 36.65,0.025 42.3,5.675 42.3,36.675 ; 5.65,42.325 36.65,42.325 ; 5.65,42.325 5.65,42.325 ; 36.65,42.325 36.65,42.325 ; 36.65,42.325 42.3,36.675 ; 42.3,36.675 42.3,36.675